# Allegro board MCU035_A_PCB.brd (continued)
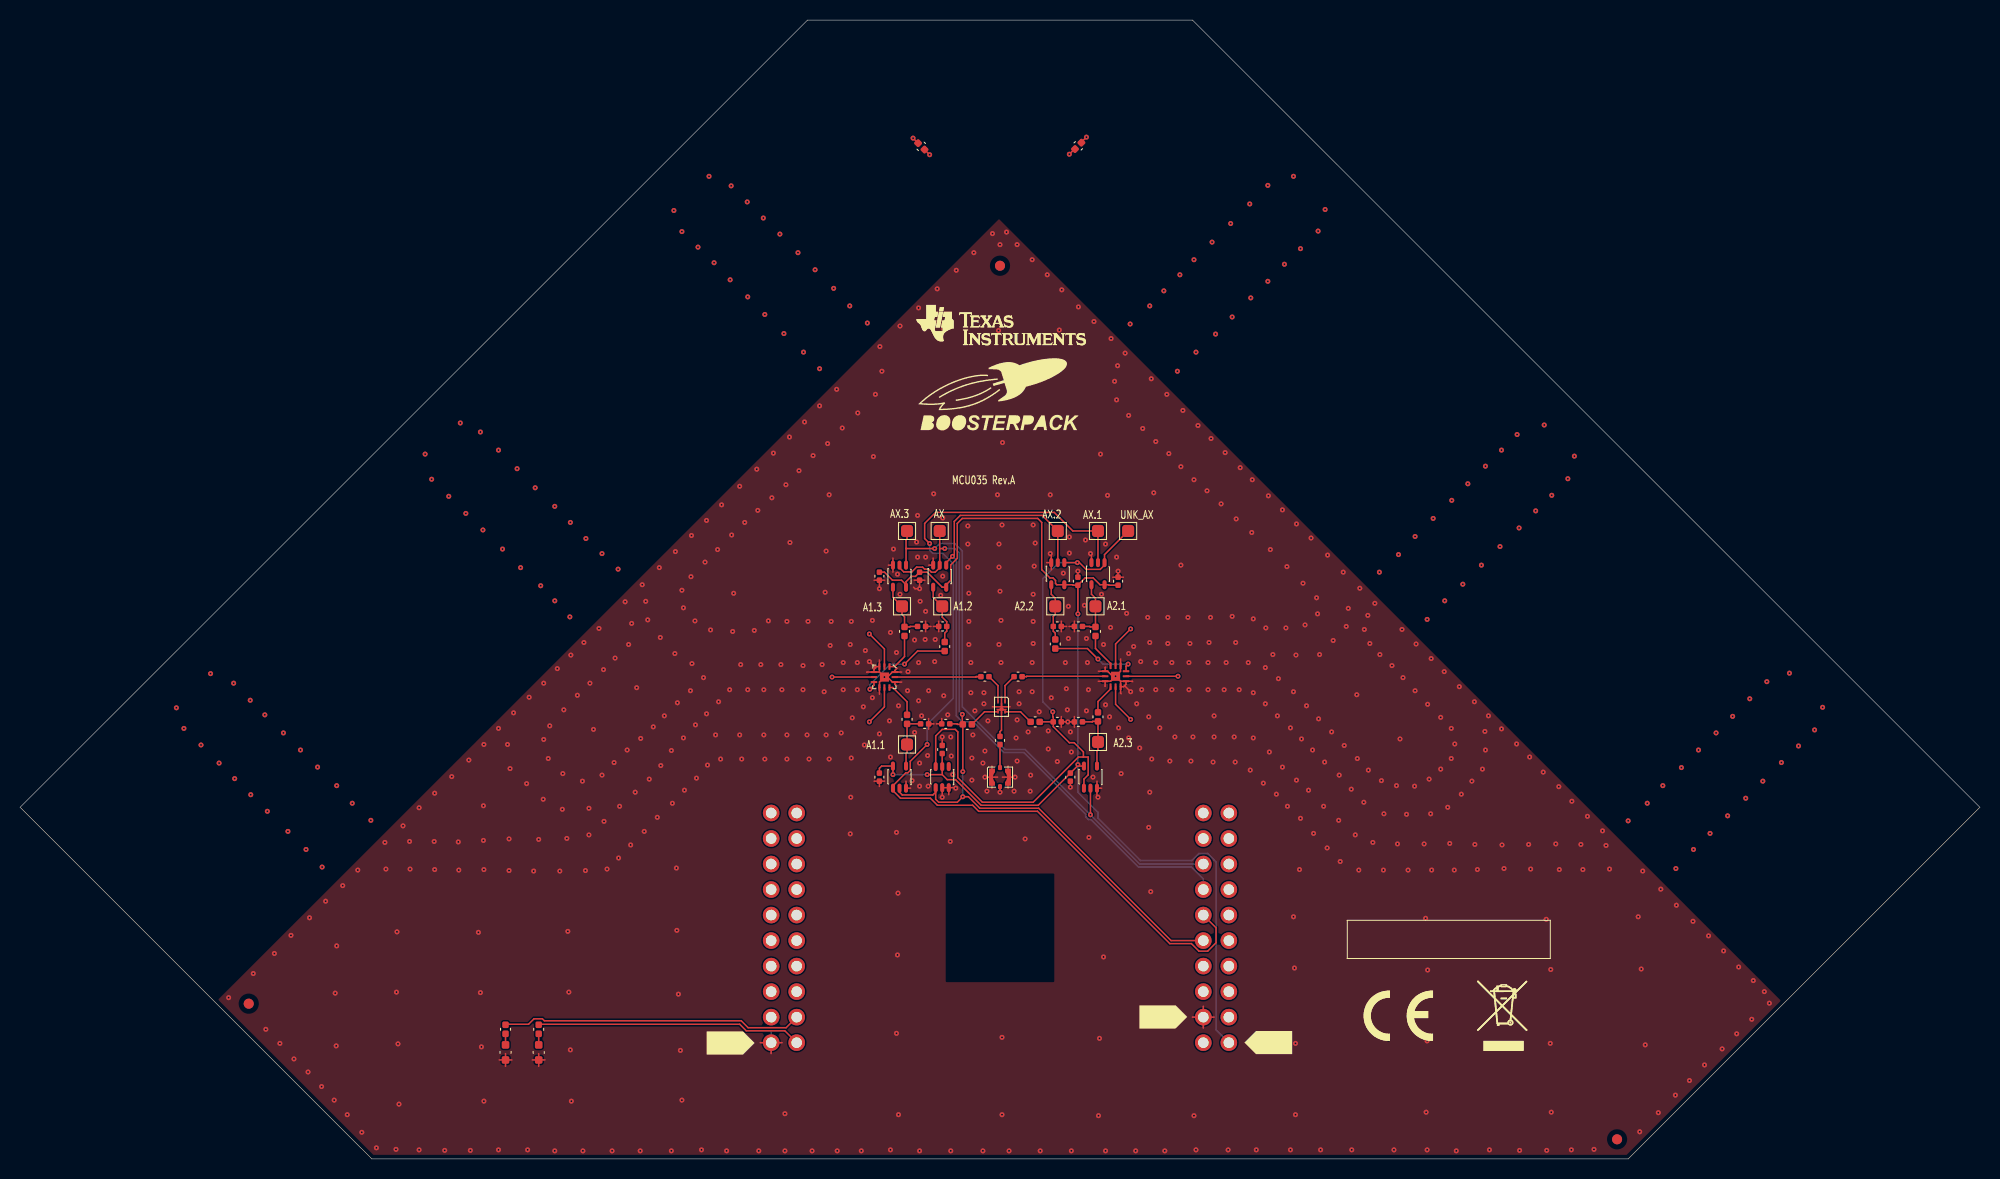
[diagram p0: board, top side]
## Routing (per net, layer and track width the routed paths; a pad name or vN(x,y) marks a point on that pad's centre or on a via; arc(x,y) is an arc through that point) (continued)
GND2: length 0.7
  TOP w0.15: R13.1 v1(88.85,101.6)
GND3: length 0.8
  TOP w0.15: v1(106.1,101.7) 105.6,101.2 R14.1
VDDS: length 121.6
  TOP w0.15: C13.2 85.5,38.88 85.72,39.1 U9.5 v1(86.85,38.25) ; 105.19,39.1 105.19,39.19 v1(105.25,39.25) ; 105.19,39.1 104.5,38.41 C12.1 104.5,38.4 101.31,35.2 95.62,35.2 93.08,37.75 92.25,37.75 91.75,38.25 ; 105.19,39.1 U8.5 ; C15.1 86,58.4 86.8,57.6 87.7,57.6 88.15,57.15 ; 88.15,57.15 U11.5 ; 88.15,57.15 88.15,57.45 88.68,57.98 89.09,57.98 89.5,58.39 C14.1 90.25,58.4 91.75,56.9 U10.5 92.15,57.15 92.6,57.6 92.6,59.13 93.25,59.78 93.25,63.25 93.75,63.75 101.25,63.75 101.65,63.35 101.65,58.65 102.47,57.83 102.78,57.83 103.03,57.58 103.03,57.28 103.15,57.15 U7.5 104.73,57.15 104.78,57.1 C11.1 ; C10.1 108.35,57.1 108.3,57.15 U6.5 107.45,57.15 106.78,57.83 105.97,57.83 105.25,57.11 C11.1 ; C11.1 v1(105.25,54.25) ; 91.75,38.25 v1(90.25,38.25) ; 91.75,38.25 U5.5 C9.1
  BOTTOM w0.15: J1.20 119,12.84 119,29.55 118.78,29.77 118.78,29.78 118.17,30.4 117.3,30.4 116.59,29.7 111.47,29.7 107.25,33.92 107.25,34.5 105.25,36.5 v1(105.25,39.25) v1(105.25,54.25) ; v1(90.25,38.25) v1(86.85,38.25)
_AX: length 63.3
  TOP w0.15: v1(102.75,44.5) 102.75,44.02 102.8,43.97 C2.2 ; R9.1 C2.2 ; C2.2 102.8,43.03 104.4,41.42 104.88,41.42 105.8,40.5 105.8,40 ; C2.2 102.85,43.5 ; 105.8,40 105.3,40 100.8,35.5 95.75,35.5 93.3,37.95 93.3,42.5 93.05,42.75 91.75,42.75 91.1,42.1 U5.6 ; 105.8,40 106.28,40 106.28,38.23 105.85,37.8 U8.1 ; UNK_AX.1 107.9,60.15 U6.1 107.9,59.1 107.47,58.67 106.08,58.67 105.4,59.35 v1(105.2,59.35) U7.1
  BOTTOM w0.15: v1(105.2,59.35) 103.35,59.35 101.75,57.75 101.75,45.5 v1(102.75,44.5)
ANT1: length 60.7
  TOP w0.15: U2.8 86,45 v1(84.5,43.5)
  LAYER4 w0.2: 33.42,30.42 33.6,30.25 57.5,30.25 68.25,41 82,41 v1(84.5,43.5)
ANT2: length 60.6
  TOP w0.15: U2.5 v1(80.79,47.96)
  LAYER4 w0.2: v1(80.79,47.96) 69.96,47.96 58.25,36.25 53.85,36.25 50.3,39.8 50.3,43.05 59.4,52.15 59.4,53.95 58.17,55.17
ANT3: length 60.6
  TOP w0.15: v1(84.5,52.25) 86,50.75 U2.2
  LAYER4 w0.2: 82.92,79.92 84.1,78.75 84.1,77.3 64.1,57.3 64.1,54.1 67.15,51.05 73.75,51.05 74.95,52.25 v1(84.5,52.25)
ANT4: length 60.6
  TOP w0.15: U3.8 109,51.25 v1(110.5,52.75)
  LAYER4 w0.2: v1(110.5,52.75) 121.65,52.75 122.75,51.65 128.45,51.65 130.45,53.65 130.45,56.3 110.6,76.15 110.6,78.5 112.05,79.95
ANT5: length 60.7
  TOP w0.15: U3.5 v1(115.21,48.04)
  LAYER4 w0.2: v1(115.21,48.04) 122.96,48.04 135.2,35.8 140.3,35.8 144.2,39.7 144.2,43.3 135.3,52.2 135.3,53.7 136.8,55.2
ANT6: length 60.6
  TOP w0.15: U3.2 109,45.25 v1(110.5,43.75)
  LAYER4 w0.2: 161.53,30.48 161.25,30.2 132.8,30.2 122.25,40.75 113.5,40.75 v1(110.5,43.75)
AX: length 74.8
  TOP w0.15: 91.5,60.75 AX.1 ; 91.5,60.75 U10.2 91.5,58.85 91.05,58.4 90.67,58.4 90.37,58.7 90,58.7 89.8,58.9 89.2,58.9 88.72,58.42 87.92,58.42 87.5,58.85 U11.2 ; 91.5,60.75 v1(92,60.75) ; R10.1 93.75,43.3 v1(93.75,44.25) ; R10.1 v1(93.8,38.55) ; R10.1 93.27,43.25 93.22,43.3 C1.2 ; U5.1 91.1,36.5 ; 91.1,36.5 91.1,35.8 91.4,35.5 93.25,35.5 v1(93.8,36.05) 94.35,36.05 95.5,34.9 101.35,34.9 114.52,21.73 J1.11 ; 91.1,36.5 90.83,36.23 87.78,36.23 87.5,36.5 U9.2
  BOTTOM w0.15: v1(93.75,44.25) 93.45,44.55 93.45,60.3 93,60.75 v1(92,60.75) ; v1(93.8,36.05) v1(93.8,38.55)
AX.1: length 95
  TOP w0.15: v1(90.25,41.25) 88.58,39.58 88.58,38.67 88.33,38.42 88.12,38.42 86.85,37.15 U9.1 86.85,36.65 87.6,35.9 90.57,35.9 91.27,35.2 94.78,35.2 95.38,34.6 101.22,34.6 114.39,21.43 116.55,21.43 117.3,20.68 118.17,20.68 119,21.52 119,23 J1.9 ; v1(90.5,61.25) 90,61.75 90,63.25 91.1,64.35 102.9,64.35 104.75,62.5 AX.1.1 U6.2
  BOTTOM w0.15: v1(90.5,61.25) 90.5,60.58 90.8,60.28 91.8,60.28 92.85,59.23 92.85,45.85 90.25,43.25 v1(90.25,41.25)
AX.2: length 67.6
  TOP w0.15: U10.1 92.15,59.35 v1(92.78,59.97) 92.95,60.15 92.95,63.45 93.55,64.05 101.7,64.05 AX.2.1 U7.2
  BOTTOM w0.15: v1(92.78,59.97) 93.15,59.6 93.15,44.1 93.75,43.5 94.83,43.5 97.88,40.45 99.88,40.45 106.03,34.3 106.03,34.05 106.3,33.77 106.55,33.77 111.28,29.05 116.55,29.05 117.73,27.87 J1.7
AX.3: length 58.2
  TOP w0.15: 88.15,60.75 88.15,61.6 88.25,61.7 AX.3.1 ; 88.15,60.75 v1(91,60.75) ; 88.15,60.75 U11.1 ; v1(106.5,34.25) U8.2
  BOTTOM w0.15: J1.5 111.4,29.35 v1(106.5,34.25) 100,40.75 98,40.75 93.75,45 93.75,60.5 93,61.25 91.5,61.25 v1(91,60.75)
DIO6_RLED: length 30
  TOP w0.15: R12.2 48.35,13.4 50.59,13.4 51.14,13.95 51.96,13.95 52.16,13.75 71.75,13.75 72.44,13.06 76.22,13.06 J2.18
DIO7_GLED/LED_PWM: length 26.4
  TOP w0.15: R11.2 51.65,13.4 71.6,13.4 72.25,12.75 76.09,12.75 J2.20
N425181: length 2.3
  TOP w0.15: C16.1 P1.1
N425288: length 2.5
  TOP w0.15: C16.2 97.5,42.53 97.65,42.68 U1.5
N426207: length 2.9
  TOP w0.15: U1.1 98,47.11 98.89,48 C18.2
N426219: length 2.9
  TOP w0.15: C17.2 96.41,48 97.3,47.11 U1.3
N426254: length 8.3
  TOP w0.15: 99.65,48 C18.1 100.13,48 100.17,48.04 U3.11
N426301: length 8.6
  TOP w0.15: 95.12,48 95.08,47.96 U2.11
  TOP w0.18: 95.12,48 C17.1
N1430973: length 3.6
  TOP w0.15: R3.2 107,50.81 108.5,49.31 U3.9
N1430985: length 5.7
  TOP w0.15: 105.65,53 C3.2 106.43,53 106.48,52.95 R3.1 A2.1.1 107,55.8 106.6,56.2 U6.4
N1431032: length 5.8
  TOP w0.15: U7.4 102.6,56.2 103,55.8 A2.2.1 103,54.2 102.8,54 C4.2 102.8,52.53 103,52.33 R4.1
N1431076: length 6.1
  TOP w0.15: 105.65,43.5 C5.2 106.68,43.5 106.73,43.55 R5.1 A2.3.1 107.25,40.7 107.15,40.6 U8.4
N1431119: length 8.7
  TOP w0.15: v1(110.25,49.25) 110.04,49.04 U3.6 ; R4.2 106.2,50.8 v1(107.25,49.75)
  BOTTOM w0.15: v1(110.25,49.25) 107.75,49.25 v1(107.25,49.75)
N1431128: length 3.1
  TOP w0.15: U3.1 108.5,46.78 107.25,45.53 R5.2
N1436088: length 5.8
  TOP w0.15: 89.35,53 C8.1 88.57,53 88.52,52.95 R8.1 88,53.95 87.75,54.2 A1.3.1 86.85,55.9 U11.4
N1436095: length 6.1
  TOP w0.15: U10.4 90.85,55.9 A1.2.1 91.75,53.92 92.2,53.47 C7.1 92.2,52.53 92,52.33 R7.1
N1436102: length 5.6
  TOP w0.15: U9.4 88.15,40.35 88.25,40.45 A1.1.1 R6.1 C6.1
N1436751: length 3.6
  TOP w0.15: R6.2 88.25,45.5 86.83,46.92 U2.9
N1436763: length 10.2
  TOP w0.15: v1(84.55,46.75) 84.96,47.16 U2.6 ; v1(88,49.25) 89.3,50.55 R7.2
  BOTTOM w0.15: v1(88,49.25) 86.6,49.25 84.55,47.2 v1(84.55,46.75)
N1436767: length 4
  TOP w0.15: U2.1 87,49 88,50 R8.2
N1437911: length 3
  TOP w0.15: U1.6 99.55,44.5 100.55,43.5 R9.2
N1438003: length 3.1
  TOP w0.15: R10.2 94.7,43.25 95.95,44.5 U1.4
N1442122: length 1.1
  TOP w0.15: R12.1 LED_RED.2
N1442126: length 1.1
  TOP w0.15: R11.1 LED_GREEN.2

## Copper pours and planes (outline as drawn; the poured copper is in the pictures)
GND on LAYER2 (solid shape): 94.42,91.05 95.13,91.76 85.87,101.02 86.58,101.73 95.84,92.47 96.55,93.17 89.36,100.36 90.07,101.07 97.96,93.17 94.44,89.66 82.3,101.8 82.99,102.49
GND on LAYER2 (solid shape): 112.64,101.86 100.48,89.69 96.94,93.23 104.83,101.12 105.54,100.41 98.35,93.23 99.06,92.52 108.37,101.83 109.08,101.12 99.77,91.81 100.49,91.09 111.95,102.55
GND on LAYER2 (solid shape): 93.04,89.67 93.75,90.38 82.31,101.81 83,102.5 95.14,90.36 91.62,86.84 90.92,87.55 73.24,105.22 73.93,105.92 91.61,88.24 92.33,88.96 74.66,106.64 75.36,107.35
GND on LAYER2 (solid shape): 120.3,106.64 102.62,88.96 103.34,88.24 121.02,105.92 121.71,105.22 104.03,87.55 103.33,86.84 99.79,90.38 111.96,102.54 112.65,101.85 101.19,90.39 101.91,89.67 119.59,107.35
GND on LAYER2 (solid shape): 23.76,18.98 20.23,15.44 19.52,16.15 1.84,33.82 2.55,34.53 20.23,16.85 20.93,17.56 3.26,35.24 3.96,35.95 21.64,18.27 22.35,18.98 4.67,36.65 5.38,37.36
GND on LAYER2 (solid shape): 47.76,44.4 48.47,43.7 44.93,40.16 44.22,40.87 26.55,58.55 27.25,59.25 44.93,41.58 45.64,42.28 27.96,59.96 28.67,60.67 46.34,42.99 47.05,43.7 29.37,61.37 30.08,62.08
GND on LAYER2 (solid shape): 72.51,69.15 73.21,68.44 69.68,64.91 51.29,83.29 52,84 69.68,66.32 70.39,67.03 52.71,84.71 53.41,85.42 71.09,67.74 71.8,68.44 54.12,86.12 54.83,86.83
GND on LAYER2 (solid shape): 140.81,86.1 123.13,68.43 123.84,67.72 141.51,85.4 142.22,84.69 124.54,67.01 125.25,66.31 142.93,83.98 143.64,83.28 125.25,64.89 121.72,68.43 122.42,69.13 140.1,86.81
GND on LAYER2 (solid shape): 165.56,61.36 147.88,43.68 148.59,42.97 166.26,60.65 166.97,59.94 149.29,42.26 150,41.56 167.68,59.23 168.38,58.53 150,40.14 146.46,43.68 147.17,44.39 164.85,62.06
GND on LAYER2 (solid shape): 190.33,36.6 172.65,18.93 173.36,18.22 191.04,35.9 191.75,35.19 174.07,17.51 174.78,16.8 192.45,34.48 193.16,33.77 175.48,16.1 174.78,15.39 171.24,18.93 189.62,37.31
GND on LAYER2 (solid shape): 121.71,105.21 104.03,87.53 104.75,86.81 122.42,104.49 123.13,103.78 105.45,86.1 106.16,85.4 123.84,103.07 124.54,102.37 106.87,84.69 107.57,83.98 125.25,101.66 125.96,100.95 108.28,83.28 108.99,82.57 124.54,98.12 128.79,98.12 130.2,96.71 130.2,92.47 114.64,76.91 115.35,76.2 133.03,93.88 133.74,93.17 116.06,75.5 116.77,74.79 134.44,92.47 135.15,91.76 117.47,74.08 118.18,73.38 135.86,91.05 136.56,90.35 118.89,72.67 119.59,71.96 137.27,89.64 137.98,88.93 120.3,71.25 121.01,70.55 138.69,88.22 139.39,87.52 121.72,69.84 122.42,69.13 140.1,86.81 140.81,86.1 122.42,67.72 101.92,88.22 102.62,88.93 103.33,88.22 121.01,105.9
GND on LAYER2 (solid shape): 91.6,88.24 92.31,88.95 92.99,88.27 93.03,88.27 72.51,67.74 71.8,68.44 54.12,86.12 54.83,86.83 72.51,69.15 73.21,69.86 55.54,87.54 56.24,88.24 73.92,70.57 74.63,71.27 56.95,88.95 57.66,89.66 75.34,71.98 76.04,72.69 58.37,90.36 59.07,91.07 76.75,73.39 77.46,74.1 59.78,91.78 60.49,92.49 78.16,74.81 78.87,75.52 61.19,93.19 61.9,93.9 79.58,76.22 80.28,76.93 64.73,92.49 64.73,96.73 66.14,98.14 70.39,98.14 85.94,82.59 86.65,83.29 68.97,100.97 69.68,101.68 87.36,84 88.06,84.71 70.39,102.39 71.09,103.09 88.77,85.42 89.48,86.12 71.8,103.8 72.51,104.51 90.19,86.83 90.9,87.55 73.22,105.22 73.92,105.92
GND on LAYER2 (solid shape): 45.71,40.82 23.08,18.19 22.37,18.9 4.64,36.64 5.34,37.34 23.08,19.61 23.79,20.31 6.05,38.05 6.76,38.76 24.49,21.02 25.2,21.73 7.46,39.46 8.17,40.17 25.91,22.44 26.61,23.14 8.88,40.88 9.59,41.58 27.32,23.85 28.03,24.56 10.29,42.29 11,43 28.73,25.27 29.44,25.97 11.71,43.71 12.41,44.42 30.15,26.68 30.86,27.39 15.3,42.94 15.3,47.19 16.71,48.6 20.96,48.6 36.51,33.04 37.22,33.75 19.49,51.49 20.19,52.19 37.93,34.46 38.63,35.16 20.9,52.9 21.61,53.61 39.34,35.87 40.05,36.58 22.31,54.31 23.02,55.02 40.76,37.29 41.46,37.99 23.73,55.73 24.44,56.44 42.17,38.7 42.88,39.41 25.14,57.14 25.85,57.85 43.58,40.11 44.29,40.82 26.56,58.56 27.26,59.26
GND on LAYER2 (solid shape): 70.39,65.62 47.76,42.99 47.05,43.7 29.37,61.37 30.08,62.08 47.76,44.4 48.47,45.11 30.79,62.79 31.49,63.5 49.17,45.82 49.88,46.52 32.2,64.2 32.91,64.91 50.59,47.23 51.29,47.94 33.62,65.62 34.32,66.32 52,48.65 52.71,49.35 35.03,67.03 35.74,67.74 53.41,50.06 54.12,50.77 36.45,68.44 37.15,69.15 54.83,51.47 55.54,52.18 39.98,67.74 39.98,71.98 41.39,73.39 45.64,73.39 61.19,57.84 61.9,58.55 44.22,76.22 44.93,76.93 62.61,59.25 63.31,59.96 45.64,77.64 46.34,78.34 64.02,60.67 64.73,61.37 47.05,79.05 47.76,79.76 65.44,62.08 66.14,62.79 48.47,80.47 49.17,81.17 66.85,63.5 67.56,64.2 49.88,81.88 50.59,82.59 68.26,64.91 68.97,65.62 51.29,83.29 52,84
GND on LAYER2 (solid shape): 143.64,83.28 125.96,65.6 126.66,64.89 144.34,82.57 145.05,81.86 127.37,64.18 128.08,63.48 145.76,81.15 146.46,80.45 128.79,62.77 129.49,62.06 147.17,79.74 147.88,79.03 130.2,61.36 130.91,60.65 148.59,78.33 149.29,77.62 131.62,59.94 132.32,59.23 150,76.91 150.71,76.2 133.03,58.53 133.74,57.82 149.29,73.38 153.53,73.38 154.95,71.96 154.95,67.72 139.39,52.16 140.1,51.46 157.78,69.13 158.49,68.43 140.81,50.75 141.51,50.04 159.19,67.72 159.9,67.01 142.22,49.33 142.93,48.63 160.61,66.31 161.31,65.6 143.64,47.92 144.34,47.21 162.02,64.89 162.73,64.18 145.05,46.51 145.76,45.8 163.44,63.48 164.14,62.77 146.46,45.09 147.17,44.39 164.85,62.06 165.56,61.36 147.88,43.68 147.17,42.97 124.54,65.6 142.93,83.98
GND on LAYER2 (solid shape): 168.38,58.53 150.71,40.85 151.41,40.14 169.09,57.82 169.8,57.11 152.12,39.44 152.83,38.73 170.51,56.41 171.21,55.7 153.53,38.02 154.24,37.31 171.92,54.99 172.63,54.28 154.95,36.61 155.66,35.9 173.33,53.58 174.04,52.87 156.36,35.19 157.07,34.48 174.75,52.16 175.46,51.46 157.78,33.78 158.49,33.07 174.04,48.63 178.28,48.63 179.7,47.21 179.7,42.97 164.14,27.41 164.85,26.71 182.53,44.39 183.23,43.68 165.56,26 166.26,25.29 183.94,42.97 184.65,42.26 166.97,24.59 167.68,23.88 185.35,41.56 186.06,40.85 168.38,23.17 169.09,22.46 186.77,40.14 187.48,39.44 169.8,21.76 170.51,21.05 188.18,38.73 188.89,38.02 171.21,20.34 171.92,19.64 189.6,37.31 190.31,36.61 172.63,18.93 171.92,18.22 149.29,40.85 167.68,59.23
GND on LAYER3 (solid shape): 17.07,46.24 17.07,44.97 30.01,32.03 28.45,30.47 28.1,30.83 29.3,32.03 16.57,44.76 16.57,46.17 14.45,48.29 4.13,37.97 3.85,38.25 14.45,48.86
GND on LAYER3 (solid shape): 25.91,59.75 15.59,49.42 17.71,47.3 19.12,47.3 31.85,34.57 33.05,35.78 33.4,35.42 31.85,33.87 18.91,46.81 17.64,46.81 15.02,49.42 25.63,60.03
GND on LAYER3 (solid shape): 41.82,70.99 41.82,69.72 54.76,56.78 53.2,55.22 52.85,55.58 54.05,56.78 41.32,69.5 41.32,70.92 39.2,73.04 28.88,62.72 28.6,63 39.2,73.61
GND on LAYER3 (solid shape): 50.66,84.5 40.33,74.17 42.45,72.05 43.87,72.05 56.6,59.32 57.8,60.53 58.15,60.17 56.6,58.62 43.66,71.56 42.38,71.56 39.77,74.17 50.38,84.78
GND on LAYER3 (solid shape): 66.57,95.74 66.57,94.47 79.51,81.53 77.95,79.97 77.6,80.32 78.8,81.53 66.07,94.25 66.07,95.67 63.95,97.79 53.63,87.47 53.34,87.75 63.95,98.36
GND on LAYER3 (solid shape): 75.41,109.25 65.08,98.92 67.2,96.8 68.62,96.8 81.35,84.07 82.55,85.27 82.9,84.92 81.35,83.36 68.41,96.31 67.13,96.31 64.52,98.92 75.12,109.53
GND on LAYER3 (solid shape): 130.41,98.9 127.8,96.29 126.52,96.29 113.58,83.35 112.03,84.9 112.38,85.25 113.58,84.05 126.31,96.78 127.73,96.78 129.85,98.9 119.52,109.23 119.81,109.51
GND on LAYER3 (solid shape): 141.59,87.73 141.3,87.45 130.98,97.77 128.86,95.65 128.86,94.24 116.13,81.51 117.33,80.31 116.98,79.95 115.42,81.51 128.36,94.45 128.36,95.72 130.98,98.34
GND on LAYER3 (solid shape): 155.16,74.15 152.55,71.54 151.27,71.54 138.33,58.6 136.78,60.15 137.13,60.51 138.33,59.31 151.06,72.03 152.47,72.03 154.6,74.15 144.27,84.48 144.56,84.76
GND on LAYER3 (solid shape): 166.33,62.98 166.05,62.7 155.73,73.02 153.61,70.9 153.61,69.49 140.88,56.76 142.08,55.56 141.73,55.2 140.17,56.76 153.11,69.7 153.11,70.97 155.73,73.59
GND on LAYER3 (solid shape): 179.91,49.41 177.29,46.79 176.02,46.79 163.08,33.85 161.53,35.4 161.88,35.76 163.08,34.56 175.81,47.28 177.22,47.28 179.34,49.41 169.02,59.73 169.3,60.01
GND on LAYER3 (solid shape): 191.08,38.23 190.8,37.95 180.48,48.27 178.35,46.15 178.35,44.74 165.63,32.01 166.83,30.81 166.48,30.45 164.92,32.01 177.86,44.95 177.86,46.22 180.48,48.84
GND on LAYER5 (solid shape): 94.42,91.05 95.13,91.76 85.87,101.02 86.58,101.73 95.84,92.47 96.55,93.17 89.36,100.36 90.07,101.07 97.96,93.17 94.44,89.66 82.3,101.8 82.99,102.49
GND on LAYER5 (solid shape): 112.64,101.86 100.48,89.69 96.94,93.23 104.83,101.12 105.54,100.41 98.35,93.23 99.06,92.52 108.37,101.83 109.08,101.12 99.77,91.81 100.49,91.09 111.95,102.55
GND on LAYER5 (solid shape): 93.04,89.67 93.75,90.38 82.31,101.81 83,102.5 95.14,90.36 91.62,86.84 90.92,87.55 73.24,105.22 73.93,105.92 91.61,88.24 92.33,88.96 74.66,106.64 75.36,107.35
GND on LAYER5 (solid shape): 120.3,106.64 102.62,88.96 103.34,88.24 121.02,105.92 121.71,105.22 104.03,87.55 103.33,86.84 99.79,90.38 111.96,102.54 112.65,101.85 101.19,90.39 101.91,89.67 119.59,107.35
GND on LAYER5 (solid shape): 23.72,18.95 20.18,15.41 19.47,16.12 1.8,33.8 2.5,34.5 20.18,16.83 20.89,17.53 3.21,35.21 3.92,35.92 21.59,18.24 22.3,18.95 4.62,36.62 5.33,37.33
GND on LAYER5 (solid shape): 47.76,44.4 48.47,43.7 44.93,40.16 44.22,40.87 26.55,58.55 27.25,59.25 44.93,41.58 45.64,42.28 27.96,59.96 28.67,60.67 46.34,42.99 47.05,43.7 29.37,61.37 30.08,62.08
GND on LAYER5 (solid shape): 72.51,69.15 73.21,68.44 69.68,64.91 51.29,83.29 52,84 69.68,66.32 70.39,67.03 52.71,84.71 53.41,85.42 71.09,67.74 71.8,68.44 54.12,86.12 54.83,86.83
GND on LAYER5 (solid shape): 140.81,86.1 123.13,68.43 123.84,67.72 141.51,85.4 142.22,84.69 124.54,67.01 125.25,66.31 142.93,83.98 143.64,83.28 125.25,64.89 121.72,68.43 122.42,69.13 140.1,86.81
GND on LAYER5 (solid shape): 165.56,61.36 147.88,43.68 148.59,42.97 166.26,60.65 166.97,59.94 149.29,42.26 150,41.56 167.68,59.23 168.38,58.53 150,40.14 146.46,43.68 147.17,44.39 164.85,62.06
GND on LAYER5 (solid shape): 190.35,36.61 172.68,18.93 173.38,18.22 191.06,35.9 191.77,35.19 174.09,17.52 174.8,16.81 192.48,34.48 193.18,33.78 175.51,16.1 174.8,15.39 171.26,18.93 189.65,37.31
GND on LAYER5 (solid shape): 121.71,105.21 104.03,87.53 104.75,86.81 122.42,104.49 123.13,103.78 105.45,86.1 106.16,85.4 123.84,103.07 124.54,102.37 106.87,84.69 107.57,83.98 125.25,101.66 125.96,100.95 108.28,83.28 108.99,82.57 124.54,98.12 128.79,98.12 130.2,96.71 130.2,92.47 114.64,76.91 115.35,76.2 133.03,93.88 133.74,93.17 116.06,75.5 116.77,74.79 134.44,92.47 135.15,91.76 117.47,74.08 118.18,73.38 135.86,91.05 136.56,90.35 118.89,72.67 119.59,71.96 137.27,89.64 137.98,88.93 120.3,71.25 121.01,70.55 138.69,88.22 139.39,87.52 121.72,69.84 122.42,69.13 140.1,86.81 140.81,86.1 122.42,67.72 101.92,88.22 102.62,88.93 103.33,88.22 121.01,105.9
GND on LAYER5 (solid shape): 91.6,88.24 92.31,88.95 92.99,88.27 93.03,88.27 72.51,67.74 71.8,68.44 54.12,86.12 54.83,86.83 72.51,69.15 73.21,69.86 55.54,87.54 56.24,88.24 73.92,70.57 74.63,71.27 56.95,88.95 57.66,89.66 75.34,71.98 76.04,72.69 58.37,90.36 59.07,91.07 76.75,73.39 77.46,74.1 59.78,91.78 60.49,92.49 78.16,74.81 78.87,75.52 61.19,93.19 61.9,93.9 79.58,76.22 80.28,76.93 64.73,92.49 64.73,96.73 66.14,98.14 70.39,98.14 85.94,82.59 86.65,83.29 68.97,100.97 69.68,101.68 87.36,84 88.06,84.71 70.39,102.39 71.09,103.09 88.77,85.42 89.48,86.12 71.8,103.8 72.51,104.51 90.19,86.83 90.9,87.55 73.22,105.22 73.92,105.92
GND on LAYER5 (solid shape): 44.93,41.58 45.64,40.87 23.01,18.24 4.62,36.62 5.33,37.33 23.01,19.65 23.72,20.36 6.04,38.04 6.75,38.75 24.42,21.07 25.13,21.78 7.45,39.45 8.16,40.16 25.84,22.48 26.55,23.19 8.87,40.87 9.57,41.58 27.25,23.9 27.96,24.6 10.28,42.28 10.99,42.99 28.67,25.31 29.37,26.02 11.7,43.7 12.4,44.4 30.08,26.73 30.79,27.43 15.23,42.99 15.23,47.23 16.65,48.65 20.89,48.65 36.45,33.09 37.15,33.8 19.47,51.47 20.18,52.18 37.86,34.5 38.57,35.21 20.89,52.89 21.59,53.59 39.27,35.92 39.98,36.62 22.3,54.3 23.01,55.01 40.69,37.33 41.39,38.04 23.72,55.72 24.42,56.42 42.1,38.75 42.81,39.45 25.13,57.13 25.84,57.84 43.52,40.16 44.22,40.87 26.55,58.55 27.25,59.25
GND on LAYER5 (solid shape): 70.39,65.62 47.76,42.99 47.05,43.7 29.37,61.37 30.08,62.08 47.76,44.4 48.47,45.11 30.79,62.79 31.49,63.5 49.17,45.82 49.88,46.52 32.2,64.2 32.91,64.91 50.59,47.23 51.29,47.94 33.62,65.62 34.32,66.32 52,48.65 52.71,49.35 35.03,67.03 35.74,67.74 53.41,50.06 54.12,50.77 36.45,68.44 37.15,69.15 54.83,51.47 55.54,52.18 39.98,67.74 39.98,71.98 41.39,73.39 45.64,73.39 61.19,57.84 61.9,58.55 44.22,76.22 44.93,76.93 62.61,59.25 63.31,59.96 45.64,77.64 46.34,78.34 64.02,60.67 64.73,61.37 47.05,79.05 47.76,79.76 65.44,62.08 66.14,62.79 48.47,80.47 49.17,81.17 66.85,63.5 67.56,64.2 49.88,81.88 50.59,82.59 68.26,64.91 68.97,65.62 51.29,83.29 52,84
GND on LAYER5 (solid shape): 143.64,83.28 125.96,65.6 126.66,64.89 144.34,82.57 145.05,81.86 127.37,64.18 128.08,63.48 145.76,81.15 146.46,80.45 128.79,62.77 129.49,62.06 147.17,79.74 147.88,79.03 130.2,61.36 130.91,60.65 148.59,78.33 149.29,77.62 131.62,59.94 132.32,59.23 150,76.91 150.71,76.2 133.03,58.53 133.74,57.82 149.29,73.38 153.53,73.38 154.95,71.96 154.95,67.72 139.39,52.16 140.1,51.46 157.78,69.13 158.49,68.43 140.81,50.75 141.51,50.04 159.19,67.72 159.9,67.01 142.22,49.33 142.93,48.63 160.61,66.31 161.31,65.6 143.64,47.92 144.34,47.21 162.02,64.89 162.73,64.18 145.05,46.51 145.76,45.8 163.44,63.48 164.14,62.77 146.46,45.09 147.17,44.39 164.85,62.06 165.56,61.36 147.88,43.68 147.17,42.97 124.54,65.6 142.93,83.98
GND on LAYER5 (solid shape): 168.38,58.53 150.71,40.85 151.41,40.14 169.09,57.82 169.8,57.11 152.12,39.44 152.83,38.73 170.51,56.41 171.21,55.7 153.53,38.02 154.24,37.31 171.92,54.99 172.63,54.28 154.95,36.61 155.66,35.9 173.33,53.58 174.04,52.87 156.36,35.19 157.07,34.48 174.75,52.16 175.46,51.46 157.78,33.78 158.49,33.07 174.04,48.63 178.28,48.63 179.7,47.21 179.7,42.97 164.14,27.41 164.85,26.71 182.53,44.39 183.23,43.68 165.56,26 166.26,25.29 183.94,42.97 184.65,42.26 166.97,24.59 167.68,23.88 185.35,41.56 186.06,40.85 168.38,23.17 169.09,22.46 186.77,40.14 187.48,39.44 169.8,21.76 170.51,21.05 188.18,38.73 188.89,38.02 171.21,20.34 171.92,19.64 189.6,37.31 190.31,36.61 172.63,18.93 171.92,18.22 149.29,40.85 167.68,59.23
GND on TOP: 35.15,0.4 19.7,15.85 97.4,93.55 175.15,15.8 175.15,15.7 159.85,0.4 ; 1 cut-out
GND on BOTTOM: 35.15,0.4 19.7,15.85 97.4,93.55 175.15,15.8 175.15,15.7 159.85,0.4 ; 1 cut-out
GND on LAYER2, LAYER5: 35.15,0.4 19.7,15.85 97.4,93.55 175.15,15.8 175.15,15.7 159.85,0.4
GND2 on LAYER2 (solid shape): 89.92,101.17 89.23,100.48 78.85,110.85 79.55,111.55
GND2 on LAYER5 (solid shape): 89.92,101.17 89.23,100.48 78.85,110.85 79.55,111.55
GND3 on LAYER2 (solid shape): 116.02,110.93 105.67,100.58 104.97,101.28 115.33,111.62
GND3 on LAYER5 (solid shape): 116.02,110.93 105.67,100.58 104.97,101.28 115.33,111.62
ANT1 on LAYER4 (solid shape): 32.2,34.22 31.85,33.87 29.87,35.84 29.77,35.95 29.65,36.06 18.91,46.81 17.78,46.81 17.07,46.1 17.07,44.97 30.01,32.03 29.94,31.96 31.47,30.44 31.77,30.48 32.01,30.72 32.04,31.04 30.47,32.62 28.58,34.52 28.52,34.68 28.54,34.95 28.62,35.1 28.76,35.25 28.91,35.32 29.16,35.34 29.32,35.29 33.1,31.5 33.17,31.35 33.18,30.84 33.69,30.33 33.55,30.19 33.06,30.68 32.98,30.87 32.97,31.35 29.18,35.15 28.91,35.12 28.74,34.95 28.72,34.66 30.67,32.7 32.19,31.18 32.24,31.02 32.21,30.72 32.13,30.56 31.92,30.36 31.77,30.28 31.49,30.24 31.33,30.29 29.8,31.82 29.66,31.67 16.57,44.76 16.58,46.31 17.57,47.3 19.12,47.3
ANT2 on LAYER4 (solid shape): 56.95,58.97 56.59,58.61 54.62,60.59 54.51,60.69 54.4,60.81 43.66,71.56 42.53,71.55 41.82,70.85 41.82,69.72 54.76,56.78 54.69,56.71 56.22,55.19 56.51,55.23 56.76,55.47 56.79,55.79 55.22,57.37 53.33,59.27 53.27,59.43 53.29,59.7 53.36,59.85 53.51,60 53.66,60.07 53.91,60.09 54.07,60.04 57.85,56.25 57.92,56.1 57.94,55.58 58.44,55.08 58.29,54.94 57.81,55.43 57.73,55.62 57.72,56.1 53.93,59.89 53.66,59.87 53.49,59.7 53.47,59.41 55.42,57.45 56.94,55.93 56.99,55.77 56.96,55.47 56.88,55.31 56.67,55.11 56.52,55.03 56.24,54.99 56.08,55.04 54.55,56.57 54.41,56.42 41.32,69.5 41.33,71.06 42.32,72.05 43.87,72.05
ANT3 on LAYER4 (solid shape): 81.7,83.72 81.34,83.36 79.37,85.34 79.26,85.44 79.15,85.56 68.41,96.31 67.28,96.3 66.57,95.59 66.57,94.47 79.51,81.53 79.44,81.46 80.96,79.94 81.26,79.98 81.51,80.22 81.54,80.54 79.97,82.12 78.08,84.02 78.02,84.17 78.04,84.45 78.11,84.6 78.25,84.74 78.41,84.82 78.66,84.84 78.82,84.78 82.6,81 82.67,80.84 82.69,80.32 83.18,79.83 83.04,79.69 82.55,80.18 82.47,80.36 82.47,80.85 78.68,84.64 78.41,84.62 78.24,84.45 78.22,84.16 80.17,82.2 81.68,80.68 81.74,80.52 81.71,80.21 81.63,80.06 81.42,79.86 81.27,79.78 80.99,79.74 80.83,79.79 79.3,81.32 79.15,81.17 66.07,94.25 66.08,95.81 67.06,96.8 68.62,96.8
ANT4 on LAYER4 (solid shape): 127.87,96.78 128.86,95.79 128.86,94.24 115.77,81.16 115.42,81.51 117.39,83.48 117.5,83.59 117.62,83.7 128.36,94.45 128.36,95.58 127.65,96.29 126.52,96.29 113.58,83.35 113.52,83.41 111.99,81.89 112.04,81.59 112.28,81.35 112.6,81.31 114.18,82.88 116.07,84.78 116.23,84.83 116.5,84.81 116.66,84.74 116.8,84.6 116.88,84.44 116.9,84.19 116.84,84.03 113.06,80.25 112.9,80.19 112.4,80.18 111.89,79.67 111.75,79.81 112.23,80.3 112.42,80.38 112.91,80.39 116.7,84.18 116.67,84.44 116.51,84.61 116.22,84.64 114.26,82.68 112.74,81.17 112.58,81.11 112.27,81.15 112.12,81.22 111.91,81.43 111.84,81.59 111.79,81.86 111.85,82.03 113.38,83.55 113.23,83.7 126.31,96.78
ANT5 on LAYER4 (solid shape): 152.62,72.03 153.6,71.04 153.61,69.49 140.52,56.41 140.17,56.76 142.25,58.84 142.37,58.95 153.11,69.7 153.11,70.83 152.4,71.54 151.27,71.54 138.33,58.6 138.27,58.66 136.74,57.14 136.79,56.84 137.03,56.6 137.35,56.56 138.93,58.13 140.82,60.03 140.98,60.09 141.25,60.06 141.41,59.99 141.55,59.85 141.62,59.7 141.65,59.45 141.59,59.29 137.81,55.5 137.65,55.44 137.13,55.42 136.64,54.92 136.49,55.06 136.98,55.55 137.17,55.63 137.66,55.64 141.45,59.43 141.42,59.7 141.25,59.86 140.96,59.89 139.01,57.93 137.49,56.42 137.33,56.36 137.02,56.4 136.87,56.47 136.66,56.69 136.59,56.84 136.54,57.12 136.59,57.28 138.12,58.81 137.98,58.95 151.06,72.03
ANT6 on LAYER4 (solid shape): 177.37,47.28 178.35,46.29 178.35,44.74 165.27,31.66 164.92,32.01 166.89,33.99 167,34.09 167.11,34.21 177.86,44.95 177.86,46.08 177.15,46.79 176.02,46.79 163.08,33.85 163.01,33.91 161.49,32.39 161.54,32.09 161.77,31.85 162.09,31.81 163.68,33.38 165.57,35.28 165.73,35.34 166,35.32 166.16,35.24 166.3,35.1 166.37,34.95 166.4,34.7 166.34,34.54 162.56,30.75 162.4,30.69 161.88,30.67 161.38,30.17 161.24,30.31 161.73,30.8 161.92,30.88 162.41,30.89 166.2,34.68 166.17,34.95 166,35.12 165.71,35.14 163.76,33.18 162.24,31.67 162.07,31.62 161.77,31.65 161.62,31.72 161.41,31.94 161.34,32.09 161.29,32.37 161.34,32.53 162.87,34.06 162.73,34.2 175.81,47.28
Net_10 on LAYER5 (solid shape): 118.88,108.08 112.81,102 112.11,102.7 118.18,108.78
Net_11 on LAYER5 (solid shape): 117.45,109.5 109.25,101.3 108.55,102 116.75,110.2
Net_14 on LAYER5 (solid shape): 86.4,101.9 85.7,101.2 77.45,109.45 78.15,110.15
Net_15 on LAYER5 (solid shape): 82.83,102.67 82.13,101.98 76.05,108.05 76.75,108.75
Net_16 on LAYER2 (solid shape): 82.83,102.67 82.13,101.98 76.05,108.05 76.75,108.75
Net_16 on LAYER2 (solid shape): 118.88,108.08 112.81,102 112.11,102.7 118.18,108.78
Net_17 on LAYER2 (solid shape): 86.4,101.9 85.7,101.2 77.45,109.45 78.15,110.15
Net_17 on LAYER2 (solid shape): 117.45,109.5 109.25,101.3 108.55,102 116.75,110.2

## Text on the board
Ref Des/Silkscreen Bottom: J2 | J4 | DIO7 | DIO6 | DIO28 | DIO27 | DIO30 | DIO29 | J3 | J1 | BOOSTXL-AoA | MCU035 Rev.A | Angle Of Arrival 2.4 GHz
User.Comments: RED | 0.4 mm | 0.94 mm +/- 10%
Ref Des/Silkscreen Top: MCU035 Rev.A
XSECTION_CHART: *  SURFACE - AIR 0 MM | * FILMMASKTOP MASK - POLYIMIDE 0.015 MM | * SOLDERMASK_TOP MASK - POLYIMIDE 0.025 - 0.035 MM | L1 TOP CONDUCTOR - COPPER 0.035 MM | *  DIELECTRIC - FR-4 0.1 MM | L2 LAYER2 CONDUCTOR - COPPER 0.018 MM | *  DIELECTRIC - FR-4 0.2 MM | L3 LAYER3 CONDUCTOR - COPPER 0.018 MM | L4 LAYER4 CONDUCTOR - COPPER 0.018 MM | L5 LAYER5 CONDUCTOR - COPPER 0.018 MM | L6 BOTTOM CONDUCTOR - COPPER 0.035 MM | * SOLDERMASK_BOTTOM MASK - POLYIMIDE 0.025 - 0.035 MM | * FILMMASKBOTTOM MASK - POLYIMIDE 0.015 MM | DESIGN CROSS SECTION CHART | ___________________________ | TOTAL THICKNESS 0.922 - 942 MM | 1-6
DIMENSION: R 0.5 | All dimensions are in millimeters
COMPVAL_TYPE_TOP: J2 | J4 | DIO6 | DIO7 | DIO30 | DIO29 | DIO28 | DIO27 | J3 | J1 | Angle Of Arrival 2.4 GHz | BOOSTXL-AoA | A1.1 | A1.2 | A1.3 | A2.1 | A2.2 | A2.3
